# Altium PCB A_base2017.PcbDoc (part 3 of 4)
Units mil, origin at the board's own origin, x right, y up, seen from the top; angles counter-clockwise.
Board outline 3944.36 x 3947.83 mil, 2 copper layers (Top Layer, Bottom Layer); 105 components, 169 nets, 534 pads, 87 vias.
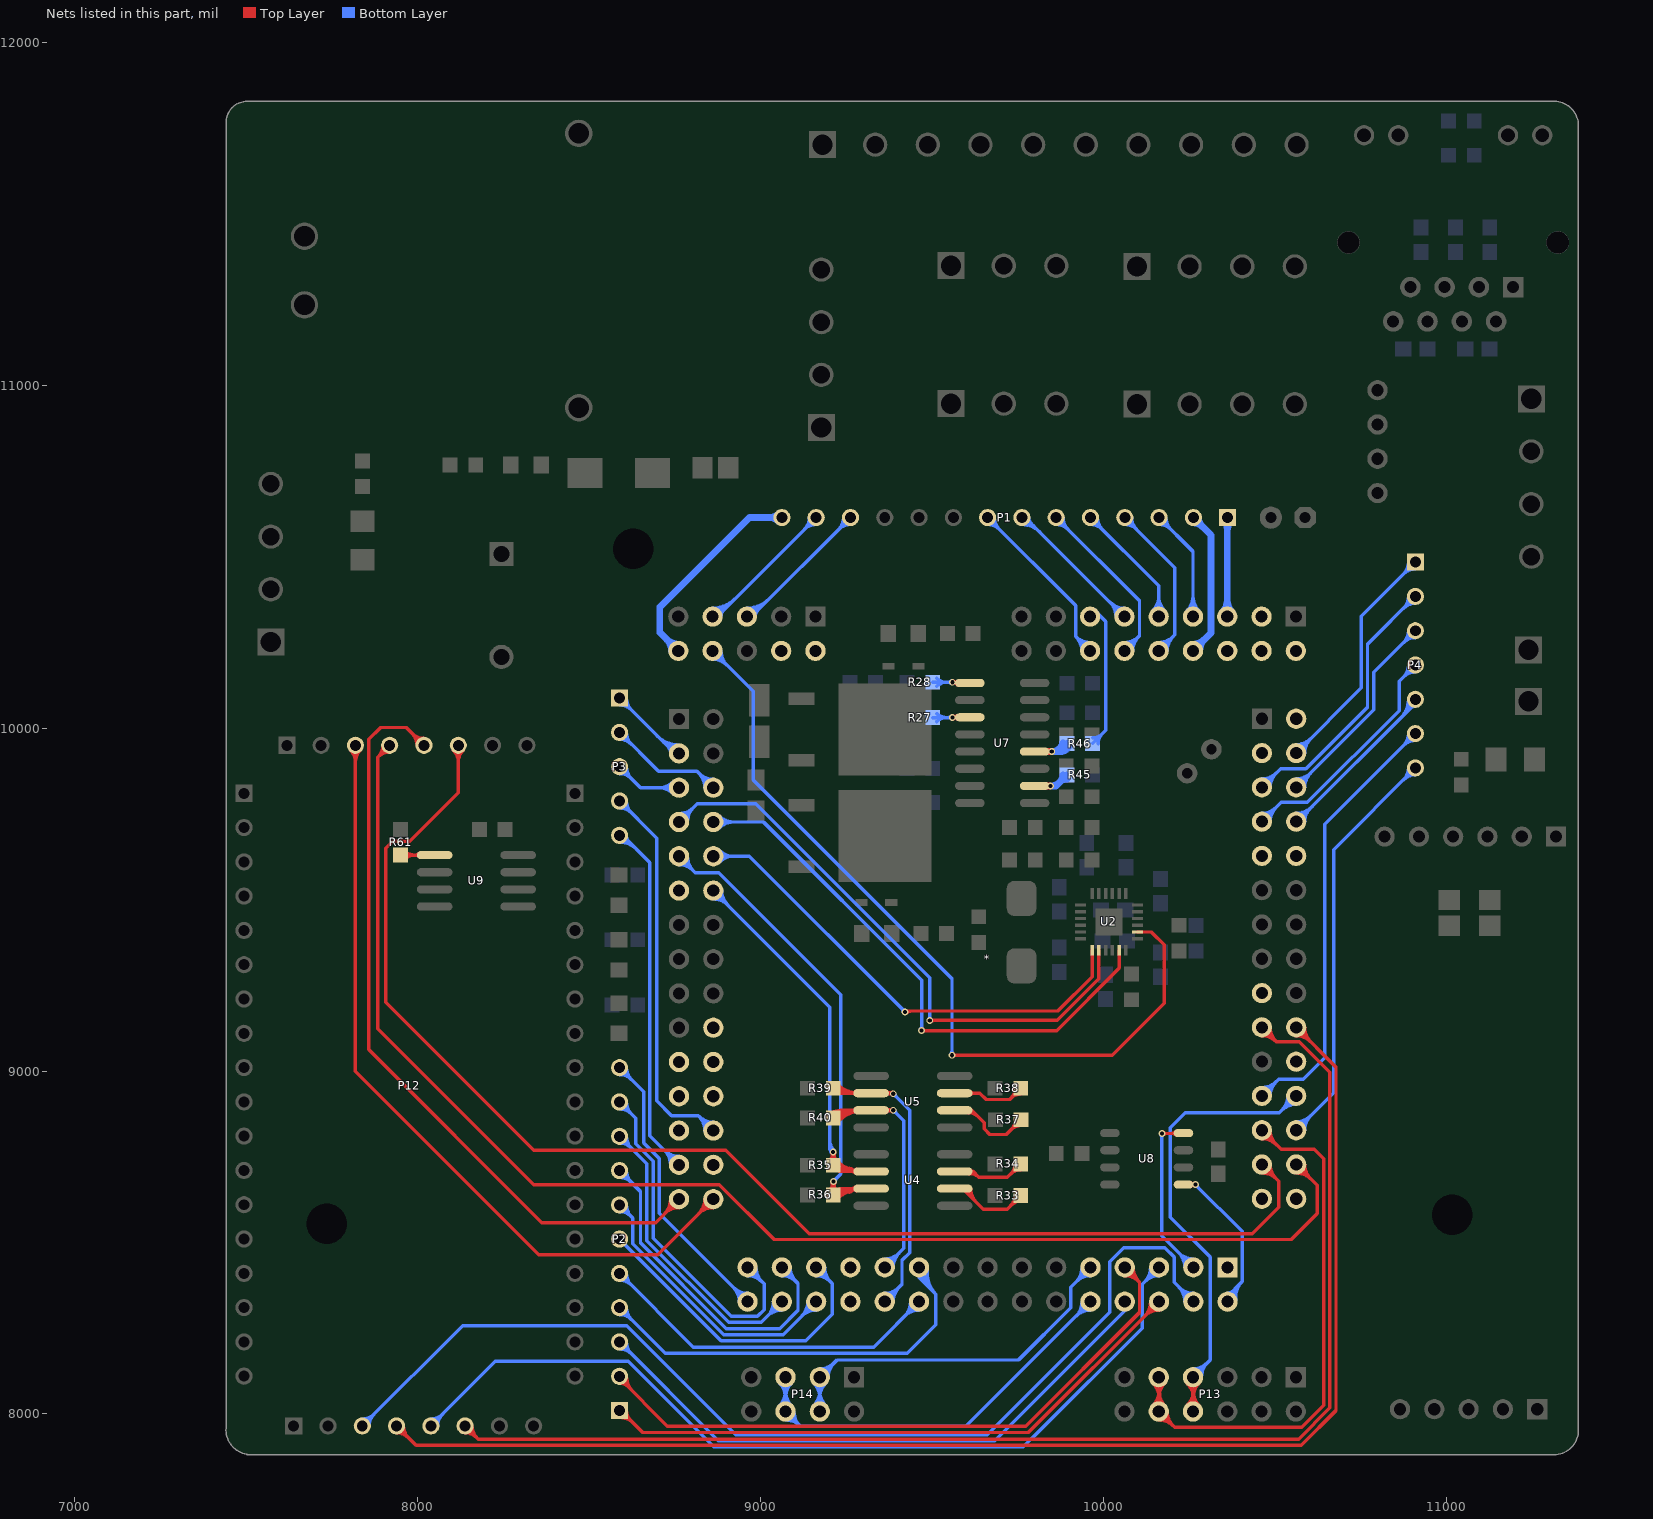
[diagram p3: the nets of this part, all layers, seen from the top]

## Via types
v1: diameter 20, hole 12, Top Layer to Bottom Layer, 86 vias
v2: diameter 12, hole 12, Top Layer to Bottom Layer, 1 vias

## Nets (pads, with @x,y where several pads share a name; then routed paths per layer and width w, separated by ;. In a path a pad name is that pad's centre, name@x,y a point inside that pad or via, vN(x,y) a via of type N, cw(c..) or ccw(c..) an arc to the next point about the centre after c; other vN are vias at no path point) (continued)
NetR27_1: R27.1 U7.11 | length 256
  Top Layer w10: v1(9559.05,10031.61) U7.11@9610.04,10031.61 ; v1@9561.82,10031.61 ccw(c9561.82,10048.73) U7.11@9573.92,10036.63 ; v1@9562.47,10035.26 ccw(c9567.34,10040.47) 9569.18,10033.59 ccw(c9571.64,10024.41) v1@9563.39,10029.13 ; v1@9562.59,10028.08 cw(c9571.13,10019.54) 9571.13,10031.61 cw(c9571.13,10043.69) v1@9562.59,10035.15 ; v1@9562.66,10028.15 cw(c9567.36,10023.64) U7.11@9569.05,10029.93 ; v1@9562.77,10031.61 cw(c9562.77,10015.84) U7.11@9573.92,10026.99
  Bottom Layer w10: R27.1@9502,10031 v1@9558.44,10031 ; R27.1@9513.78,10019.22 cw(c9542.21,9990.79) 9542.21,10031 cw(c9542.21,10071.21) R27.1@9513.78,10042.78 ; 9545.5,10031 ccw(c9545.5,10045.17) v1@9555.52,10035.15 ; 9548.47,10031 cw(c9548.47,10021.03) v1@9555.52,10028.08
NetR28_1: R28.1 U7.9 | length 223.6
  Top Layer w10: v1@9562.59,10130.44 cw(c9571.13,10121.91) 9571.13,10133.98 cw(c9571.13,10146.05) v1@9562.59,10137.51 ; U7.9@9573.6,10127.35 ccw(c9559.06,10114.72) v1(9559.06,10133.98) U7.9@9608.07,10133.98
  Bottom Layer w10: R28.1@9502,10134 v1@9559.03,10134 ; R28.1@9513.78,10122.22 cw(c9542.21,10093.79) 9542.21,10134 cw(c9542.21,10174.21) R28.1@9513.78,10145.78 ; 9546.93,10134 cw(c9546.93,10121.85) v1@9555.52,10130.44 ; 9547.04,10134 ccw(c9547.04,10145.99) v1@9555.52,10137.51
NetR33_2: R33.2 U4.2 | length 370.7
  Top Layer w10: U4.2@9565.95,8657.28 9589.76,8657.28 9649.61,8597.44 9718.88,8597.44 R33.2@9758.43,8636.99 ; U4.2@9592.76,8657.28 ccw(c9599.98,8657.28) U4.2@9594.87,8652.18 ; U4.2@9602.76,8657.28 ccw(c9634.12,8657.28) 9611.94,8635.1 ; U4.2@9612.76,8657.28 ccw(c9668.26,8657.28) 9629.01,8618.03 ; R33.2@9741.78,8636.99 cw(c9701.57,8636.99) 9730,8608.56 cw(c9758.43,8580.13) R33.2@9758.43,8620.34
NetR34_2: R34.2 U4.3 | length 349.4
  Top Layer w10: U4.3@9565.95,8707.28 9619.49,8707.28 ; U4.3@9605.37,8710.26 cw(c9607.98,8690.25) 9622.25,8704.52 ; U4.3@9606.66,8700.34 cw(c9611.3,8664.85) 9636.61,8690.16 ; U4.3@9611.42,8703.17 cw(c9619.49,8697.32) 9619.49,8707.28 ; U4.3@9611.42,8711.4 ccw(c9619.49,8717.25) 9619.49,8707.28 ; R34.2@9742.2,8729.33 cw(c9702,8729.33) 9730.43,8700.9 cw(c9758.86,8672.47) R34.2@9758.86,8712.68 ; R34.2@9758.86,8729.33 9719.69,8690.16 9636.61,8690.16 ; 9619.49,8707.28 9636.61,8690.16
NetR37_2: R37.2 U5.2 | length 345.3
  Top Layer w10: U5.2@9565.95,8885.63 9615.35,8885.63 9651.98,8849.01 9651.98,8831.78 9668.8,8814.96 9716.4,8814.96 R37.2@9759.43,8857.99 ; U5.2@9605.76,8878.63 cw(c9605.76,8838.56) 9634.09,8866.89 ; R37.2@9742.78,8857.99 cw(c9702.57,8857.99) 9731,8829.56 cw(c9759.43,8801.13) R37.2@9759.43,8841.34
NetR38_2: R38.2 U5.3 | length 303.8
  Top Layer w10: U5.3@9565.95,8935.63 9639.37,8935.63 9657.85,8917.15 9726.2,8917.15 R38.2@9758.86,8949.8 ; U5.3@9610.71,8930.68 cw(c9622.66,8918.73) 9622.66,8935.63 cw(c9622.66,8952.53) U5.3@9610.71,8940.58 ; R38.2@9742.2,8949.8 cw(c9702,8949.8) 9730.43,8921.37 cw(c9758.86,8892.94) R38.2@9758.86,8933.15
NetR45_2: R45.2 U7.2 | length 181.2
  Top Layer w20: U7.2@9799.21,9831.81 v1(9845.47,9831.81)
  Bottom Layer w20: R45.2@9872.29,9842.92 cw(c9845.47,9869.73) v1(9845.47,9831.81) 9861.18,9831.81 R45.2@9893.2,9863.83 ; R45.2@9881.54,9863.83 cw(c9853.41,9863.83) 9873.3,9843.93 cw(c9893.2,9824.04) R45.2@9893.2,9852.17
NetR46_2: R46.2 U7.4 | length 229.9
  Top Layer w20: U7.4@9799.21,9931.81 v1(9849.02,9931.81)
  Bottom Layer w20: 9874.38,9931.81 ccw(c9874.38,9959.51) R46.2@9901.31,9953.05 ; R46.2@9881.54,9955 cw(c9853.41,9955) 9873.3,9935.11 cw(c9893.2,9915.21) R46.2@9893.2,9943.35 ; R46.2@9881.86,9957.72 cw(c9849.02,9965.59) v1(9849.02,9931.81) 9870.01,9931.81 R46.2@9893.2,9955
NetR61_2: R61.2 U9.1 | length 189.1
  Top Layer w10: R61.2@7949.8,9629.92 U9.1@8049.21,9629.92 ; R61.2@7961.58,9618.15 cw(c7990.01,9589.72) 7990.01,9629.92 cw(c7990.01,9670.13) R61.2@7961.58,9641.7 ; U9.1@8004.45,9624.97 ccw(c7992.5,9613.02) 7992.5,9629.92 ccw(c7992.5,9646.82) U9.1@8004.45,9634.87
PA0: *.25 P1.13 | length 677
  Bottom Layer w10: *.25@8859.97,10325.51 8873.23,10325.51 P1.13@9162.03,10614.32 ; *.25@8859.97,10330.04 ccw(c8859.97,10372.98) 8890.33,10342.62 ; *.25@8859.97,10340.04 ccw(c8859.97,10407.12) 8907.4,10359.69 ; *.25@8859.97,10350.04 ccw(c8859.97,10441.27) 8924.48,10376.76 ; *.25@8884.5,10325.51 cw(c8911.7,10325.51) 8892.46,10344.75 ; P1.13@9142.03,10614.32 cw(c9093.75,10614.32) 9127.89,10580.17 cw(c9162.03,10546.03) P1.13@9162.03,10594.31
PA1: *.26 U2.14 | length 2599.8
  Top Layer w10: v1(9558.35,9046.26) 10025.26,9046.26 10177,9198 10177,9368 10139.29,9405.71 U2.14@10098.75,9405.71 ; v1@9561.89,9042.72 cw(c9570.43,9034.19) 9570.43,9046.26 cw(c9570.43,9058.33) v1@9561.89,9049.8
  Bottom Layer w10: *.26@8859.97,10200.98 cw(c8859.97,10141.77) 8901.84,10183.64 cw(c8943.71,10225.51) *.26@8884.5,10225.51 ; *.26@8859.97,10210.98 cw(c8859.97,10175.91) 8884.77,10200.71 cw(c8909.57,10225.51) *.26@8874.5,10225.51 ; *.26@8859.97,10225.51 8978.23,10107.25 8978.23,9849 9558.07,9269.16 v1@9558.07,9046.26 ; v1@9554.82,9049.8 ccw(c9546.97,9057.65) 9558.07,9057.65 ; 9558.07,9059.02 ccw(c9571.11,9059.02) v1@9561.89,9049.8
PA3: *.28 P1.14 | length 745.1
  Bottom Layer w20: *.28@8740.44,10225.51 ccw(c8693.3,10225.51) 8726.63,10258.85 ccw(c8759.97,10292.18) *.28@8759.97,10245.04 ; *.28@8759.97,10225.51 8706,10279.48 8706,10353 8967.32,10614.32 P1.14@9062.03,10614.32 ; P1.14@9051.42,10603.71 ccw(c9025.82,10578.1) 9025.82,10614.32 ccw(c9025.82,10650.53) P1.14@9051.42,10624.92
PA4: *.31 P3.1 | length 491.7
  Bottom Layer w10: P3.1@8588.58,10067.6 cw(c8588.58,10019.31) 8622.73,10053.46 ; P3.1@8588.58,10087.6 8749.67,9926.51 *.31@8761.97,9926.51 ; P3.1@8608.58,10087.6 ccw(c8656.87,10087.6) 8622.72,10053.46 ; 8699.1,9977.08 ccw(c8761.97,10039.95) *.31@8761.97,9951.04 ; 8716.17,9960.01 ccw(c8761.97,10005.8) *.31@8761.97,9941.04 ; 8728.79,9947.39 cw(c8707.92,9926.51) *.31@8737.44,9926.51 ; 8733.24,9942.94 ccw(c8761.97,9971.66) *.31@8761.97,9931.04
PA5: *.34 P3.2 | length 564.1
  Bottom Layer w10: P3.2@8588.58,9967.6 cw(c8588.58,9919.31) 8622.73,9953.46 ; P3.2@8588.58,9987.6 8702.17,9874.02 8814.46,9874.02 *.34@8861.97,9826.51 ; P3.2@8608.58,9987.6 ccw(c8656.87,9987.6) 8622.72,9953.46 ; *.34@8837.44,9826.51 ccw(c8778.23,9826.51) 8820.1,9868.38 ccw(c8861.97,9910.25) *.34@8861.97,9851.04 ; *.34@8847.44,9826.51 ccw(c8812.37,9826.51) 8837.17,9851.31 ccw(c8861.97,9876.11) *.34@8861.97,9841.04
PA6: *.33 P3.3 | length 422.6
  Bottom Layer w10: P3.3@8588.58,9867.6 cw(c8588.58,9819.31) 8622.72,9853.46 cw(c8656.87,9887.6) P3.3@8608.58,9887.6 ; P3.3@8588.58,9887.6 8649.67,9826.51 *.33@8761.97,9826.51 ; *.33@8744.62,9809.17 ccw(c8702.75,9767.3) 8702.75,9826.51 ccw(c8702.75,9885.73) *.33@8744.62,9843.86 ; *.33@8751.7,9816.24 ccw(c8726.9,9791.44) 8726.9,9826.51 ccw(c8726.9,9861.58) *.33@8751.7,9836.78
PA7: *.36 U2.11 | length 1835.4
  Top Layer w10: v1(9469.67,9118.11) 9863.11,9118.11 10045.55,9300.55 U2.11@10045.55,9352.51 ; v1@9473.2,9114.57 cw(c9481.74,9106.04) 9481.74,9118.11 cw(c9481.74,9130.18) v1@9473.2,9121.65
  Bottom Layer w10: *.36@8861.97,9726.51 9008.49,9726.51 9469.67,9265.33 v1(9469.67,9118.11) ; *.36@8872.24,9716.24 cw(c8897.04,9691.44) 8897.04,9726.51 cw(c8897.04,9761.58) *.36@8872.24,9736.78 ; *.36@8879.31,9709.17 cw(c8921.18,9667.3) 8921.18,9726.51 cw(c8921.18,9785.73) *.36@8879.31,9743.86 ; v1@9466.13,9121.65 ccw(c9457.6,9130.18) 9469.67,9130.18 ccw(c9481.74,9130.18) v1@9473.2,9121.65
PA8: *.64 P2.1 | length 2007.2
  Top Layer w10: P2.1@8588.58,7989.84 cw(c8588.58,7932.05) 8629.45,7972.92 ; P2.1@8588.58,7999.84 cw(c8588.58,7966.2) P2.1@8612.37,7989.99 ; P2.1@8590.55,8011.81 8656.5,7945.87 9780.32,7945.87 *.64@10161.97,8327.51 ; P2.1@8608.58,8009.84 ccw(c8647.36,8009.84) 8619.94,7982.42 ; *.64@10137.44,8327.51 cw(c10078.23,8327.51) 10120.1,8285.64 cw(c10161.97,8243.77) *.64@10161.97,8302.98 ; *.64@10147.44,8327.51 cw(c10112.37,8327.51) 10137.17,8302.71 cw(c10161.97,8277.91) *.64@10161.97,8312.98
PA9: *.63 P12.5 | length 2821.4
  Bottom Layer w10: P12.5@8038.19,7965.19 8226.54,8153.54 8614.17,8153.54 8863.76,7903.96 9766.48,7903.96 9807.09,7944.57 ; P12.5@8038.19,7985.19 ccw(c8038.19,8033.47) 8072.33,7999.33 ccw(c8106.47,7965.19) P12.5@8058.19,7965.19 ; 9806.59,7944.39 10112.7,8250.49 10112.7,8378.24 *.63@10161.97,8427.51 ; *.63@10137.44,8427.51 cw(c10078.23,8427.51) 10120.1,8385.64 cw(c10161.97,8343.77) *.63@10161.97,8402.98 ; *.63@10147.44,8427.51 cw(c10112.37,8427.51) 10137.17,8402.71 cw(c10161.97,8377.91) *.63@10161.97,8412.98
PA10: *.62 P12.3 | length 3321.1
  Bottom Layer w10: P12.3@7838.19,7965.19 8130.87,8257.87 8609.25,8257.87 8927.17,7939.96 9660.56,7939.96 10017.78,8297.18 10017.78,8443.96 10059.06,8485.24 10178.15,8485.24 10205.71,8457.68 10205.71,8383.77 *.62@10261.97,8327.51 ; P12.3@7838.19,7985.19 ccw(c7838.19,8033.47) 7872.33,7999.33 ccw(c7906.47,7965.19) P12.3@7858.19,7965.19 ; *.62@10237.44,8327.51 ccw(c10178.23,8327.51) 10220.1,8369.38 ccw(c10261.97,8411.25) *.62@10261.97,8352.04 ; *.62@10247.44,8327.51 ccw(c10212.37,8327.51) 10237.17,8352.31 ccw(c10261.97,8377.11) *.62@10261.97,8342.04
PA11: *.61 U8.4 | length 703.2
  Top Layer w10: v1(10170.28,8817.91) U8.4@10232.09,8817.91 ; v1@10173.81,8814.38 cw(c10182.35,8805.84) 10182.35,8817.91 cw(c10182.35,8829.98) v1@10173.81,8821.45 ; 10197.24,8817.91 ccw(c10197.24,8838.39) U8.4@10211.72,8823.91 ; 10202.94,8817.91 cw(c10202.94,8805.5) U8.4@10211.72,8814.28 ; U8.4@10232.09,8819.09 U8.4@10233.27,8819.09
  Bottom Layer w10: v1@10166.74,8814.38 cw(c10158.2,8805.84) 10170.28,8805.84 cw(c10182.35,8805.84) v1@10173.81,8814.38 ; v1(10170.28,8817.91) 10170.28,8519.2 *.61@10261.97,8427.51 ; *.61@10237.44,8427.51 ccw(c10178.23,8427.51) 10220.1,8469.38 ccw(c10261.97,8511.25) *.61@10261.97,8452.04 ; *.61@10247.44,8427.51 ccw(c10212.37,8427.51) 10237.17,8452.31 ccw(c10261.97,8477.11) *.61@10261.97,8442.04
PA12: *.60 U8.1 | length 668.7
  Top Layer w10: U8.1@10233.27,8669.09 v1(10267.91,8669.09) ; U8.1@10254.82,8664.28 cw(c10266.44,8652.65) 10266.44,8669.09 cw(c10266.44,8685.54) U8.1@10254.82,8673.91 ; v1@10264.37,8665.56 ccw(c10255.83,8657.02) 10255.83,8669.09 ccw(c10255.83,8681.17) v1@10264.37,8672.63
  Bottom Layer w10: v1@10267.91,8664.09 cw(c10267.91,8652.02) 10276.44,8660.56 cw(c10284.98,8669.09) v1@10272.91,8669.09 ; v1(10267.91,8669.09) 10404.53,8532.47 10404.53,8386.31 10360.49,8342.27 *.60@10360.49,8328.99 ; *.60@10361.97,8352.04 ccw(c10361.97,8372.06) 10376.12,8357.9 ; *.60@10366.45,8328.17 cw(c10401.26,8333.28) 10376.38,8358.16 ; *.60@10376.34,8329.62 cw(c10425.8,8336.89) 10390.45,8372.23 ; *.60@10386.24,8331.08 cw(c10450.34,8340.49) 10404.52,8386.3
PA13: *.59
PA14: *.117
PA15: *.118
PB0: *.37 R36.1 U4.7 | length 1882.1
  Top Layer w10: R36.1@9200.24,8650.94 ccw(c9175.71,8677.16) v1@9211.61,8677.16 ; v1@9208.27,8675.65 cw(c9199.87,8670.8) 9209.24,8668.29 ; 9208.37,8665.05 cw(c9222.32,8661.31) v1@9215.1,8673.82 ; R36.1@9209.25,8641.15 cw(c9248.21,8602.19) 9248.21,8657.28 ; 9211.61,8663.7 cw(c9227.05,8663.7) v1@9216.13,8674.61 ; 9215.31,8663.37 cw(c9230.95,8667.56) v1@9216.93,8675.65 ; R36.1@9216.32,8634.07 cw(c9272.35,8578.04) U4.7@9272.35,8657.28 ; R36.1@9222.99,8650.94 cw(c9247.52,8677.16) v1@9211.61,8677.16 ; R36.1@9223.39,8627 cw(c9296.49,8553.9) U4.7@9296.49,8657.28 ; 9258.69,8647.15 ccw(c9251.12,8675.41) U4.7@9276.45,8660.78 ; 9260.72,8654.9 cw(c9265.51,8631.52) U4.7@9278.66,8651.44 ; 9270.38,8656.88 ccw(c9268.38,8666.61) U4.7@9276.67,8661.14 ; U4.7@9277.56,8652.33 ccw(c9265.61,8640.38) 9265.61,8657.28 ccw(c9265.61,8674.18) U4.7@9277.56,8662.23 ; U4.7@9322.32,8657.28 9230.12,8657.28 R36.1@9211.61,8638.78 v1@9211.61,8677.17
  Bottom Layer w10: *.37@8761.97,9601.98 cw(c8761.97,9542.77) 8803.84,9584.64 cw(c8845.71,9626.51) *.37@8786.5,9626.51 ; *.37@8761.97,9611.98 cw(c8761.97,9576.91) 8786.77,9601.71 cw(c8811.57,9626.51) *.37@8776.5,9626.51 ; *.37@8761.97,9626.51 8809.74,9578.74 8877.95,9578.74 9234.25,9222.44 9234.25,8699.8 v1(9212.6,8678.15) ; v1@9212.6,8683.15 ccw(c9212.6,8695.22) 9221.13,8686.69 ccw(c9229.67,8678.15) v1@9217.6,8678.15
PB1: *.40 R35.1 U4.6 | length 1632.3
  Top Layer w10: R35.1@9200.24,8737.56 ccw(c9175.71,8763.78) v1(9211.61,8763.78) ; v1@9207.28,8761.28 cw(c9196.83,8755.24) 9208.49,8752.12 cw(c9220.15,8749) v1@9214.11,8759.45 ; v1@9208.08,8760.24 cw(c9199.54,8751.71) 9211.61,8751.71 cw(c9223.68,8751.71) v1@9215.15,8760.24 ; v1@9209.11,8759.45 cw(c9203.08,8749) 9214.74,8752.12 cw(c9226.4,8755.24) v1@9215.94,8761.28 ; R35.1@9209.25,8723.03 ccw(c9247.26,8761.04) 9247.26,8707.28 ; R35.1@9216.32,8730.1 ccw(c9271.4,8785.18) U4.6@9271.4,8707.28 ; R35.1@9222.99,8737.56 cw(c9247.52,8763.78) v1(9211.61,8763.78) ; R35.1@9223.39,8737.17 ccw(c9295.54,8809.32) U4.6@9295.54,8707.28 ; 9259.2,8717.02 cw(c9251.84,8689.58) U4.6@9276.45,8703.78 ; 9260.3,8709.53 ccw(c9265.14,8733.47) U4.6@9278.64,8713.12 ; U4.6@9277.56,8702.33 ccw(c9265.61,8690.38) 9265.61,8707.28 ccw(c9265.61,8724.18) U4.6@9277.56,8712.23 ; U4.6@9322.32,8707.28 9229.72,8707.28 R35.1@9211.61,8725.39 v1(9211.61,8763.78)
  Bottom Layer w10: *.40@8861.97,9501.98 cw(c8861.97,9442.77) 8903.84,9484.64 cw(c8945.71,9526.51) *.40@8886.5,9526.51 ; *.40@8861.97,9511.98 cw(c8861.97,9476.91) 8886.77,9501.71 cw(c8911.57,9526.51) *.40@8876.5,9526.51 ; *.40@8861.97,9526.51 9201.77,9186.71 9201.77,8773.62 v1(9211.61,8763.78) ; 9201.77,8775.47 ccw(c9223.31,8775.47) v1@9208.08,8760.24 ; 9201.77,8799.61 ccw(c9247.45,8799.61) v1@9215.15,8767.32
PB2: *.39
PB3: *.98
PB4: *.97
PB5: *.96 P4.5 | length 763.3
  Bottom Layer w10: *.96@10561.28,9724.27 P4.5@10913.39,10076.38 ; *.96@10561.97,9742.04 ccw(c10561.97,9783.27) 10591.12,9754.12 ; *.96@10561.97,9752.04 ccw(c10561.97,9817.41) 10608.19,9771.19 ; *.96@10576.5,9727.51 cw(c10605.41,9727.51) 10584.96,9747.96 ; *.96@10586.5,9727.51 cw(c10639.55,9727.51) 10602.04,9765.03 ; 10866.95,10029.95 ccw(c10812.65,10084.25) P4.5@10889.45,10084.25 ; 10884.03,10047.02 ccw(c10846.79,10084.25) P4.5@10899.45,10084.25 ; 10895.47,10058.46 cw(c10909.45,10044.48) P4.5@10909.45,10064.25
PB6: *.95 P4.4 | length 910.9
  Bottom Layer w10: *.95@10461.97,9727.51 10517.92,9783.46 10594.49,9783.46 10862.2,10051.18 10862.2,10137.01 P4.4@10909.45,10184.25 ; *.95@10461.97,9742.04 ccw(c10461.97,9777.11) 10486.77,9752.31 ccw(c10511.57,9727.51) *.95@10476.5,9727.51 ; *.95@10461.97,9752.04 ccw(c10461.97,9811.25) 10503.84,9769.38 ccw(c10545.71,9727.51) *.95@10486.5,9727.51 ; P4.4@10889.45,10184.25 cw(c10841.16,10184.25) 10875.31,10150.11 cw(c10909.45,10115.97) P4.4@10909.45,10164.25
PB7: *.94 P4.3 | length 824.6
  Bottom Layer w10: *.94@10561.97,9827.51 10788,10053.54 10788,10162.8 P4.3@10909.45,10284.25 ; *.94@10561.97,9842.04 ccw(c10561.97,9877.11) 10586.77,9852.31 ccw(c10611.57,9827.51) *.94@10576.5,9827.51 ; *.94@10561.97,9852.04 ccw(c10561.97,9911.25) 10603.84,9869.38 ccw(c10645.71,9827.51) *.94@10586.5,9827.51 ; P4.3@10889.45,10284.25 cw(c10841.16,10284.25) 10875.31,10250.11 cw(c10909.45,10215.97) P4.3@10909.45,10264.25
PB8: *.93 P4.2 | length 1009.5
  Bottom Layer w10: *.93@10461.97,9827.51 10516.35,9881.89 10590.55,9881.89 10770,10061.34 10770,10244.8 P4.2@10909.45,10384.25 ; *.93@10461.97,9842.04 ccw(c10461.97,9877.11) 10486.77,9852.31 ccw(c10511.57,9827.51) *.93@10476.5,9827.51 ; *.93@10461.97,9852.04 ccw(c10461.97,9911.25) 10503.84,9869.38 ccw(c10545.71,9827.51) *.93@10486.5,9827.51 ; P4.2@10889.45,10384.25 cw(c10841.16,10384.25) 10875.31,10350.11 cw(c10909.45,10315.97) P4.2@10909.45,10364.25
PB9: *.92 P4.1 | length 924.6
  Bottom Layer w10: *.92@10561.97,9927.51 10752,10117.54 10752,10326.8 P4.1@10909.45,10484.25 ; *.92@10561.97,9942.04 ccw(c10561.97,9977.11) 10586.77,9952.31 ccw(c10611.57,9927.51) *.92@10576.5,9927.51 ; *.92@10561.97,9952.04 ccw(c10561.97,10011.25) 10603.84,9969.38 ccw(c10645.71,9927.51) *.92@10586.5,9927.51 ; P4.1@10889.45,10484.25 cw(c10841.16,10484.25) 10875.31,10450.11 cw(c10909.45,10415.97) P4.1@10909.45,10464.25
PB10: *.57 P12.13 | length 2467.3
  Top Layer w10: P12.13@7998.19,9950.19 ccw(c7949.9,9950.19) 7984.05,9984.33 ccw(c8018.19,10018.47) P12.13@8018.19,9970.19 ; P12.13@8018.19,9950.19 7966.41,10001.97 7891.73,10001.97 7857.28,9967.52 7857.28,9062.99 8362.2,8558.07 8693.53,8558.07 *.57@8761.97,8626.51 ; *.57@8737.44,8626.51 cw(c8678.23,8626.51) 8720.1,8584.64 cw(c8761.97,8542.77) *.57@8761.97,8601.98 ; *.57@8747.44,8626.51 cw(c8712.37,8626.51) 8737.17,8601.71 cw(c8761.97,8576.91) *.57@8761.97,8611.98
PB11: *.58 P12.11 | length 2506.9
  Top Layer w10: P12.11@7804.05,9936.05 cw(c7769.9,9901.9) 7818.19,9901.9 cw(c7866.47,9901.9) P12.11@7832.33,9936.05 ; P12.11@7818.19,9950.19 7818.19,8999.72 8353.35,8464.57 8700.02,8464.57 *.58@8861.97,8626.51 ; *.58@8837.44,8626.51 cw(c8778.23,8626.51) 8820.1,8584.64 cw(c8861.97,8542.77) *.58@8861.97,8601.98 ; *.58@8847.44,8626.51 cw(c8812.37,8626.51) 8837.17,8601.71 cw(c8861.97,8576.91) *.58@8861.97,8611.98
PB12: *.87 P2.10 | length 1230.7
  Bottom Layer w10: P2.10@8588.58,8889.84 cw(c8588.58,8841.56) 8622.72,8875.7 cw(c8656.87,8909.84) P2.10@8608.58,8909.84 ; P2.10@8588.58,8909.84 8635.83,8862.6 8635.83,8788.05 8686.31,8737.57 8686.31,8512.96 8914.28,8284.98 8990.98,8284.98 9010,8304 9010,8379.48 *.87@8961.97,8427.51 ; *.87@8961.97,8402.98 cw(c8961.97,8343.77) 9003.84,8385.64 cw(c9045.71,8427.51) *.87@8986.5,8427.51 ; *.87@8961.97,8412.98 cw(c8961.97,8377.91) 8986.77,8402.71 cw(c9011.57,8427.51) *.87@8976.5,8427.51
PB13: *.88 P2.11 | length 1060.9
  Bottom Layer w10: P2.11@8588.58,8989.84 cw(c8588.58,8941.56) 8622.72,8975.7 cw(c8656.87,9009.84) P2.11@8608.58,9009.84 ; P2.11@8588.58,9009.84 8659.17,8939.26 8659.17,8790.17 8704.31,8745.03 8704.31,8585.17 *.88@8961.97,8327.51 ; *.88@8937.44,8327.51 ccw(c8878.23,8327.51) 8920.1,8369.38 ccw(c8961.97,8411.25) *.88@8961.97,8352.04 ; *.88@8947.44,8327.51 ccw(c8912.37,8327.51) 8937.17,8352.31 ccw(c8961.97,8377.11) *.88@8961.97,8342.04
PB14: *.85 P2.8 | length 1190.1
  Bottom Layer w10: P2.8@8588.58,8689.84 cw(c8588.58,8641.56) 8622.72,8675.7 cw(c8656.87,8709.84) P2.8@8608.58,8709.84 ; P2.8@8588.58,8709.84 8649.61,8648.82 8649.61,8498.75 8899.37,8248.98 9055.98,8248.98 9109,8302 9109,8380.48 *.85@9061.97,8427.51 ; *.85@9061.97,8402.98 cw(c9061.97,8343.77) 9103.84,8385.64 cw(c9145.71,8427.51) *.85@9086.5,8427.51 ; *.85@9061.97,8412.98 cw(c9061.97,8377.91) 9086.77,8402.71 cw(c9111.57,8427.51) *.85@9076.5,8427.51
PB15: *.86 P2.9 | length 1070.6
  Bottom Layer w10: P2.9@8588.58,8789.84 cw(c8588.58,8741.56) 8622.72,8775.7 cw(c8656.87,8809.84) P2.9@8608.58,8809.84 ; P2.9@8594.39,8804.04 8668.31,8730.12 8668.31,8505.5 8906.82,8266.98 9001.44,8266.98 *.86@9061.97,8327.51 ; *.86@9037.44,8327.51 cw(c8978.23,8327.51) 9020.1,8285.64 cw(c9061.97,8243.77) *.86@9061.97,8302.98 ; *.86@9047.44,8327.51 cw(c9012.37,8327.51) 9037.17,8302.71 cw(c9061.97,8277.91) *.86@9061.97,8312.98
PC0: *.20
PC2: *.22
PC3: *.23 P1.12 | length 677
  Bottom Layer w10: *.23@8959.97,10325.51 8973.23,10325.51 P1.12@9262.03,10614.32 ; *.23@8959.97,10330.04 ccw(c8959.97,10372.98) 8990.33,10342.62 ; *.23@8959.97,10340.04 ccw(c8959.97,10407.12) 9007.4,10359.69 ; *.23@8959.97,10350.04 ccw(c8959.97,10441.27) 9024.48,10376.76 ; *.23@8984.5,10325.51 cw(c9011.7,10325.51) 8992.46,10344.75 ; P1.12@9242.03,10614.32 cw(c9193.75,10614.32) 9227.89,10580.17 cw(c9262.03,10546.03) P1.12@9262.03,10594.31
PC4: *.35 U2.8 | length 1900.5
  Top Layer w10: v1(9493.11,9147.64) 9864.64,9147.64 9986.5,9269.5 U2.8@9986.5,9352.51 ; v1@9496.65,9144.1 cw(c9505.18,9135.57) 9505.18,9147.64 cw(c9505.18,9159.71) v1@9496.65,9151.17
  Bottom Layer w10: *.35@8761.97,9726.51 8814.98,9779.53 8985.47,9779.53 9493.11,9271.89 v1(9493.11,9147.64) ; *.35@8761.97,9741.04 ccw(c8761.97,9776.11) 8786.77,9751.31 ccw(c8811.57,9726.51) *.35@8776.5,9726.51 ; *.35@8761.97,9751.04 ccw(c8761.97,9810.25) 8803.84,9768.38 ccw(c8845.71,9726.51) *.35@8786.5,9726.51 ; v1@9489.57,9151.17 ccw(c9481.04,9159.71) 9493.11,9159.71 ccw(c9505.18,9159.71) v1@9496.65,9151.17
PC5: *.38 U2.7 | length 1597.4
  Top Layer w10: v1(9421.26,9172.24) 9424.21,9175.2 9866.74,9175.2 9966.81,9275.27 U2.7@9966.81,9352.51 ; v1@9424.8,9168.71 cw(c9440.46,9153.04) 9440.46,9175.2
  Bottom Layer w10: *.38@8861.97,9626.51 8966.99,9626.51 v1(9421.26,9172.24) ; *.38@8872.24,9616.24 cw(c8897.04,9591.44) 8897.04,9626.51 cw(c8897.04,9661.58) *.38@8872.24,9636.78 ; *.38@8879.31,9609.17 cw(c8921.18,9567.3) 8921.18,9626.51 cw(c8921.18,9685.73) *.38@8879.31,9643.86 ; v1@9416.26,9172.24 ccw(c9404.19,9172.24) 9412.72,9180.78 ccw(c9421.26,9189.31) v1@9421.26,9177.24
PC6: *.68 P14.5 P14.6 | length 1750.6
  Bottom Layer w10: P14.6@9055.29,8024.63 ccw(c9013.42,8066.5) 9072.64,8066.5 ccw(c9131.85,8066.5) P14.6@9089.98,8024.63 ; P14.5@9055.29,8089.94 cw(c9013.42,8048.07) 9072.64,8048.07 cw(c9131.85,8048.07) P14.5@9089.98,8089.94 ; P14.6@9062.37,8017.56 ccw(c9037.57,8042.36) 9072.64,8042.36 ccw(c9107.71,8042.36) P14.6@9082.91,8017.56 ; P14.5@9062.37,8097.01 cw(c9037.57,8072.21) 9072.64,8072.21 cw(c9107.71,8072.21) P14.5@9082.91,8097.01 ; P14.6@9072.64,7982.76 cw(c9072.64,7923.54) 9114.51,7965.41 cw(c9156.38,8007.28) P14.6@9097.17,8007.28 ; P14.6@9072.64,7992.76 cw(c9072.64,7957.68) 9097.44,7982.48 cw(c9122.24,8007.28) P14.6@9087.17,8007.28 ; P14.5@9072.64,8107.28 P14.6@9072.64,8007.28 9116.34,7963.58 9598.04,7963.58 *.68@9961.97,8327.51 ; *.68@9937.44,8327.51 cw(c9878.23,8327.51) 9920.1,8285.64 cw(c9961.97,8243.77) *.68@9961.97,8302.98 ; *.68@9947.44,8327.51 cw(c9912.37,8327.51) 9937.17,8302.71 cw(c9961.97,8277.91) *.68@9961.97,8312.98
PC7: *.67 P14.3 P14.4 | length 1649.6
  Bottom Layer w10: P14.4@9155.29,8024.63 ccw(c9113.42,8066.5) 9172.64,8066.5 ccw(c9231.85,8066.5) P14.4@9189.98,8024.63 ; P14.3@9155.29,8089.94 cw(c9113.42,8048.07) 9172.64,8048.07 cw(c9231.85,8048.07) P14.3@9189.98,8089.94 ; P14.4@9162.37,8017.56 ccw(c9137.57,8042.36) 9172.64,8042.36 ccw(c9207.71,8042.36) P14.4@9182.91,8017.56 ; P14.3@9162.37,8097.01 cw(c9137.57,8072.21) 9172.64,8072.21 cw(c9207.71,8072.21) P14.3@9182.91,8097.01 ; P14.4@9172.64,8007.28 P14.3@9172.64,8107.28 9222.83,8157.48 9752.08,8157.48 9904.5,8309.9 9904.5,8370.04 *.67@9961.97,8427.51 ; P14.3@9172.64,8121.81 ccw(c9172.64,8156.88) 9197.44,8132.08 ccw(c9222.24,8107.28) P14.3@9187.17,8107.28 ; P14.3@9172.64,8131.81 ccw(c9172.64,8191.03) 9214.51,8149.15 ccw(c9256.38,8107.28) P14.3@9197.17,8107.28 ; *.67@9937.44,8427.51 cw(c9878.23,8427.51) 9920.1,8385.64 cw(c9961.97,8343.77) *.67@9961.97,8402.98 ; *.67@9947.44,8427.51 cw(c9912.37,8427.51) 9937.17,8402.71 cw(c9961.97,8377.91) *.67@9961.97,8412.98
PC8: *.66 P2.3 | length 1851.9
  Bottom Layer w10: P2.3@8588.58,8189.84 cw(c8588.58,8141.56) 8622.72,8175.7 cw(c8656.87,8209.84) P2.3@8608.58,8209.84 ; P2.3@8588.58,8209.84 8876.46,7921.96 9682.79,7921.96 10061.97,8301.14 *.66@10061.97,8327.51
PC9: *.65 P2.2 | length 2119.9
  Top Layer w10: P2.2@8588.58,8089.84 cw(c8588.58,8054.98) 8613.24,8079.63 ; P2.2@8588.58,8109.84 8588.58,8104.28 8728.3,7964.57 9773.57,7964.57 10105,8296 10105,8384.48 *.65@10061.97,8427.51 ; P2.2@8598.58,8109.84 ccw(c8636.14,8109.84) 8609.58,8083.28 ; P2.2@8608.58,8109.84 ccw(c8670.29,8109.84) 8626.66,8066.21 ; *.65@10061.97,8402.98 cw(c10061.97,8343.77) 10103.84,8385.64 cw(c10145.71,8427.51) *.65@10086.5,8427.51 ; *.65@10061.97,8412.98 cw(c10061.97,8377.91) 10086.77,8402.71 cw(c10111.57,8427.51) *.65@10076.5,8427.51
PC10: *.115 P12.14 | length 4151.5
  Top Layer w10: P12.14@8104.05,9936.05 cw(c8069.9,9901.9) 8118.19,9901.9 cw(c8166.47,9901.9) P12.14@8132.33,9936.05 ; P12.14@8118.19,9950.19 8118.19,9811.42 7976.84,9670.07 7926.96,9670.07 7906.5,9649.61 7906.5,9200.79 8338.24,8769.04 8898.28,8769.04 9141.73,8525.59 10434.06,8525.59 10510.83,8602.36 10510.83,8678.65 *.115@10461.97,8727.51 ; *.115@10461.97,8702.98 cw(c10461.97,8643.77) 10503.84,8685.64 cw(c10545.71,8727.51) *.115@10486.5,8727.51 ; *.115@10461.97,8712.98 cw(c10461.97,8677.91) 10486.77,8702.71 cw(c10511.57,8727.51) *.115@10476.5,8727.51
PC11: *.116 P12.12 | length 4258.5
  Top Layer w10: P12.12@7898.19,9950.19 cw(c7849.9,9950.19) 7884.05,9916.05 cw(c7918.19,9881.9) P12.12@7918.19,9930.19 ; P12.12@7918.19,9950.19 7883.86,9915.86 7883.86,9123.03 8337.85,8669.04 8879.58,8669.04 9039.77,8508.86 10547.24,8508.86 10623.03,8584.65 10623.03,8666.45 *.116@10561.97,8727.51 ; *.116@10561.97,8702.98 cw(c10561.97,8643.77) 10603.84,8685.64 cw(c10645.71,8727.51) *.116@10586.5,8727.51 ; *.116@10561.97,8712.98 cw(c10561.97,8677.91) 10586.77,8702.71 cw(c10611.57,8727.51) *.116@10576.5,8727.51
PC12: *.113 P13.9 P13.10 | length 2170.8
  Top Layer w10: P13.10@10143.68,8024.63 ccw(c10097.06,8071.25) 10162.99,8071.25 ; P13.9@10143.68,8089.94 cw(c10097.06,8043.32) 10162.99,8043.32 ; P13.10@10150.75,8017.56 ccw(c10121.2,8047.11) 10162.99,8047.11 ; P13.9@10150.75,8097.01 cw(c10121.2,8067.46) 10162.99,8067.46 ; P13.10@10161.02,7982.76 cw(c10161.02,7923.54) 10202.89,7965.41 cw(c10244.77,8007.28) P13.10@10185.55,8007.28 ; P13.10@10161.02,7992.76 cw(c10161.02,7957.68) 10185.82,7982.48 cw(c10210.62,8007.28) P13.10@10175.55,8007.28 ; 10162.99,8037.6 ccw(c10191.34,8037.6) P13.10@10171.3,8017.56 ; 10162.99,8052.82 cw(c10215.49,8052.82) P13.9@10178.37,8089.94 ; 10162.99,8061.75 ccw(c10215.49,8061.75) P13.10@10178.37,8024.63 ; 10162.99,8076.96 cw(c10191.34,8076.96) P13.9@10171.3,8097.01 ; P13.9@10162.99,8125.98 10162.99,8005.31 10207.68,7960.63 10577.63,7960.63 10642,8025 10642,8743.83 10614.17,8771.65 10517.83,8771.65 *.113@10461.97,8827.51 ; *.113@10461.97,8802.98 cw(c10461.97,8743.77) 10503.84,8785.64 cw(c10545.71,8827.51) *.113@10486.5,8827.51 ; *.113@10461.97,8812.98 cw(c10461.97,8777.91) 10486.77,8802.71 cw(c10511.57,8827.51) *.113@10476.5,8827.51
PC13: *.8 P1.2 | length 562.8
  Bottom Layer w20: *.8@10260.97,10225.51 10313.44,10277.98 10313.44,10562.91 P1.2@10262.03,10614.32 ; *.8@10260.97,10245.04 ccw(c10260.97,10292.18) 10294.3,10258.85 ccw(c10327.64,10225.51) *.8@10280.5,10225.51 ; P1.2@10262.03,10599.32 cw(c10262.03,10563.1) 10287.64,10588.71 cw(c10313.24,10614.32) P1.2@10277.03,10614.32
PD0: *.114 P4.7 | length 1424.6
  Bottom Layer w10: *.114@10561.97,8827.51 10671,8936.54 10671,9645.8 P4.7@10909.45,9884.25 ; *.114@10561.97,8842.04 ccw(c10561.97,8877.11) 10586.77,8852.31 ccw(c10611.57,8827.51) *.114@10576.5,8827.51 ; *.114@10561.97,8852.04 ccw(c10561.97,8911.25) 10603.84,8869.38 ccw(c10645.71,8827.51) *.114@10586.5,8827.51 ; P4.7@10889.45,9884.25 cw(c10841.16,9884.25) 10875.31,9850.11 cw(c10909.45,9815.97) P4.7@10909.45,9864.25
PD1: *.111 P4.6 | length 1508.1
  Bottom Layer w10: *.111@10461.97,8927.51 10510.83,8976.38 10582.68,8976.38 10645,9038.7 10645,9719.8 P4.6@10909.45,9984.25 ; *.111@10461.97,8942.04 ccw(c10461.97,8977.11) 10486.77,8952.31 ccw(c10511.57,8927.51) *.111@10476.5,8927.51 ; *.111@10461.97,8952.04 ccw(c10461.97,9011.25) 10503.84,8969.38 ccw(c10545.71,8927.51) *.111@10486.5,8927.51 ; P4.6@10889.45,9984.25 cw(c10841.16,9984.25) 10875.31,9950.11 cw(c10909.45,9915.97) P4.6@10909.45,9964.25
PD2: *.112 P13.7 P13.8 | length 1876.3
  Top Layer w10: P13.8@10243.68,8024.63 ccw(c10197.06,8071.25) 10262.99,8071.25 ; P13.7@10243.68,8089.94 cw(c10197.06,8043.32) 10262.99,8043.32 ; P13.8@10250.75,8017.56 ccw(c10221.2,8047.11) 10262.99,8047.11 ; P13.7@10250.75,8097.01 cw(c10221.2,8067.46) 10262.99,8067.46 ; P13.7@10261.02,8107.28 10262.99,8105.31 P13.8@10262.99,8025.98 ; 10262.99,8037.6 ccw(c10291.34,8037.6) P13.8@10271.3,8017.56 ; 10262.99,8052.82 cw(c10315.49,8052.82) P13.7@10278.37,8089.94 ; 10262.99,8061.75 ccw(c10315.49,8061.75) P13.8@10278.37,8024.63 ; 10262.99,8076.96 cw(c10291.34,8076.96) P13.7@10271.3,8097.01
  Bottom Layer w10: P13.7@10261.02,8107.28 10311.02,8157.28 10311.02,8457.68 10194.88,8573.82 10194.88,8834.65 10238.19,8877.95 10512.41,8877.95 *.112@10561.97,8927.51 ; P13.7@10261.02,8121.81 ccw(c10261.02,8156.88) 10285.82,8132.08 ccw(c10310.62,8107.28) P13.7@10275.55,8107.28 ; P13.7@10261.02,8131.81 ccw(c10261.02,8191.03) 10302.89,8149.15 ccw(c10344.77,8107.28) P13.7@10285.55,8107.28 ; *.112@10537.44,8927.51 cw(c10478.23,8927.51) 10520.1,8885.64 cw(c10561.97,8843.77) *.112@10561.97,8902.98 ; *.112@10547.44,8927.51 cw(c10512.37,8927.51) 10537.17,8902.71 cw(c10561.97,8877.91) *.112@10561.97,8912.98
PD4: *.110
PD5: *.107 P12.6 | length 4030.4
  Top Layer w10: P12.6@8138.19,7945.19 cw(c8138.19,7896.9) 8172.33,7931.05 cw(c8206.47,7965.19) P12.6@8158.19,7965.19 ; P12.6@8138.19,7965.19 8176.81,7926.57 10569.02,7926.57 10660,8017.54 10660,8996 10571.02,9084.98 10504.5,9084.98 *.107@10461.97,9127.51 ; *.107@10461.97,9102.98 cw(c10461.97,9043.77) 10503.84,9085.64 cw(c10545.71,9127.51) *.107@10486.5,9127.51 ; *.107@10461.97,9112.98 cw(c10461.97,9077.91) 10486.77,9102.71 cw(c10511.57,9127.51) *.107@10476.5,9127.51
PD6: *.108 P12.4 | length 4194.8
  Top Layer w10: P12.4@7938.19,7945.19 cw(c7938.19,7896.9) 7972.33,7931.05 cw(c8006.47,7965.19) P12.4@7958.19,7965.19 ; P12.4@7938.19,7965.19 7994.81,7908.57 10576.48,7908.57 10678,8010.09 10678,9011.48 *.108@10561.97,9127.51 ; *.108@10561.97,9102.98 cw(c10561.97,9043.77) 10603.84,9085.64 cw(c10645.71,9127.51) *.108@10586.5,9127.51 ; *.108@10561.97,9112.98 cw(c10561.97,9077.91) 10586.77,9102.71 cw(c10611.57,9127.51) *.108@10576.5,9127.51
PD7: *.105
PD8: *.83 P2.6 | length 1083.8
  Bottom Layer w10: P2.6@8581.69,8502.95 8594.49,8502.95 8884.46,8212.98 9130.98,8212.98 9209,8291 9209,8380.48 *.83@9161.97,8427.51 ; *.83@9161.97,8402.98 cw(c9161.97,8343.77) 9203.84,8385.64 cw(c9245.71,8427.51) *.83@9186.5,8427.51 ; *.83@9161.97,8412.98 cw(c9161.97,8377.91) 9186.77,8402.71 cw(c9211.57,8427.51) *.83@9176.5,8427.51
PD9: *.84 P2.7 | length 1038.5
  Bottom Layer w10: P2.7@8588.58,8589.84 cw(c8588.58,8541.56) 8622.72,8575.7 cw(c8656.87,8609.84) P2.7@8608.58,8609.84 ; P2.7@8588.58,8609.84 8626.97,8571.46 8626.97,8495.93 8891.91,8230.98 9065.44,8230.98 *.84@9161.97,8327.51 ; *.84@9137.44,8327.51 cw(c9078.23,8327.51) 9120.1,8285.64 cw(c9161.97,8243.77) *.84@9161.97,8302.98 ; *.84@9147.44,8327.51 cw(c9112.37,8327.51) 9137.17,8302.71 cw(c9161.97,8277.91) *.84@9161.97,8312.98
PD10: *.81
PD11: *.82
PD12: *.79 R40.1 U5.7 | length 1232.9
  Top Layer w10: R40.1@9202.18,8872.63 cw(c9233.57,8841.23) 9233.57,8885.63 ; R40.1@9209.25,8865.56 cw(c9257.71,8817.09) 9257.71,8885.63 ; R40.1@9211.61,8863.19 9234.06,8885.63 ; R40.1@9214.61,8879.57 ccw(c9218.56,8901.12) 9234.05,8885.63 ; R40.1@9216.32,8858.48 cw(c9281.85,8792.95) U5.7@9281.85,8885.63 ; R40.1@9223.39,8851.41 cw(c9306,8768.81) U5.7@9306,8885.63 ; R40.1@9228,8866.19 cw(c9249.55,8870.14) 9234.05,8885.63 ; U5.7@9277.56,8880.68 ccw(c9265.61,8868.73) 9265.61,8885.63 ccw(c9265.61,8902.53) U5.7@9277.56,8890.58 ; U5.7@9367.08,8880.68 cw(c9379.03,8868.73) 9379.03,8885.63 cw(c9379.03,8902.53) U5.7@9367.08,8890.58 ; U5.7@9373.63,8884.18 cw(c9376.5,8873.47) v1@9383.61,8881.99 ; 9374.27,8885.63 ccw(c9374.27,8898.37) v1@9383.28,8889.36 ; 9374.27,8886.91 ccw(c9376.67,8895.85) v1@9383.26,8889.34 ; 9375.21,8885.63 cw(c9375.21,8874.23) v1@9383.28,8882.29 ; v1@9386.61,8885.63 U5.7@9322.32,8885.63 9234.06,8885.63
  Bottom Layer w10: *.79@9361.97,8442.04 ccw(c9361.97,8477.11) 9386.77,8452.31 ccw(c9411.57,8427.51) *.79@9376.5,8427.51 ; *.79@9361.97,8452.04 ccw(c9361.97,8511.25) 9403.84,8469.38 ccw(c9445.71,8427.51) *.79@9386.5,8427.51 ; *.79@9362.2,8427.75 9417.32,8482.87 9417.32,8855.32 v1(9386.81,8885.83) ; v1@9386.81,8880.83 cw(c9386.81,8868.76) 9395.35,8877.29 cw(c9403.88,8885.83) v1@9391.81,8885.83
PD13: *.80 R39.1 U5.6 | length 1240.6
  Top Layer w10: R39.1@9209.25,8947.44 ccw(c9237.75,8975.94) 9237.75,8935.63 ; R39.1@9211.61,8949.8 9225.79,8935.63 U5.6@9322.32,8935.63 9323.9,8934.06 v1(9386.81,8934.06) ; R39.1@9216.32,8954.51 ccw(c9261.89,9000.08) 9261.89,8935.63 ; R39.1@9223.39,8961.58 ccw(c9286.04,9024.23) U5.6@9286.04,8935.63 ; U5.6@9277.56,8930.68 ccw(c9265.61,8918.73) 9265.61,8935.63 ccw(c9265.61,8952.53) U5.6@9277.56,8940.58 ; U5.6@9367.08,8930.68 cw(c9375.23,8922.53) 9375.23,8934.06 ; U5.6@9367.08,8940.58 ccw(c9382.84,8956.33) v1@9382.84,8934.06 ; U5.6@9373.42,8936.58 ccw(c9376.87,8949.45) v1@9384.1,8938.26 ; v1@9383.28,8930.52 ccw(c9374.74,8921.98) 9374.74,8934.06 ccw(c9374.74,8946.13) v1@9383.28,8937.59
  Bottom Layer w10: *.80@9361.97,8327.51 9412.4,8377.94 9412.4,8447.83 9435.04,8470.47 9435.04,8885.83 v1(9386.81,8934.06) ; *.80@9361.97,8342.04 ccw(c9361.97,8377.11) 9386.77,8352.31 ccw(c9411.57,8327.51) *.80@9376.5,8327.51 ; *.80@9361.97,8352.04 ccw(c9361.97,8411.25) 9403.84,8369.38 ccw(c9445.71,8327.51) *.80@9386.5,8327.51 ; v1@9386.81,8929.06 cw(c9386.81,8916.98) 9395.35,8925.52 cw(c9403.88,8934.06) v1@9391.81,8934.06
PD14: *.77 P2.4 | length 1519.4
  Bottom Layer w10: P2.4@8588.58,8289.84 cw(c8588.58,8241.56) 8622.72,8275.7 cw(c8656.87,8309.84) P2.4@8608.58,8309.84 ; P2.4@8588.58,8309.84 8721.44,8176.98 9427.98,8176.98 9511.19,8260.19 9511.19,8349.19 ; *.77@9456.55,8428.29 ccw(c9499.34,8422.16) 9468.77,8391.6 ; *.77@9461.97,8427.51 9461.97,8398.4 9511.19,8349.19 ; *.77@9466.45,8426.87 ccw(c9524.07,8418.62) 9482.91,8377.46 ; *.77@9476.35,8425.45 ccw(c9548.8,8415.08) 9497.05,8363.32 ; *.77@9486.25,8424.03 ccw(c9573.53,8411.53) 9511.18,8349.19
PD15: *.78 P2.5 | length 1240.8
  Bottom Layer w10: P2.5@8588.58,8389.84 cw(c8588.58,8340.55) 8623.44,8375.41 ; P2.5@8589,8409.84 8803.86,8194.98 9329.44,8194.98 *.78@9461.97,8327.51 ; P2.5@8608.58,8409.84 ccw(c8655.86,8409.84) 8622.43,8376.41 ; *.78@9437.44,8327.51 cw(c9378.23,8327.51) 9420.1,8285.64 cw(c9461.97,8243.77) *.78@9461.97,8302.98 ; *.78@9447.44,8327.51 cw(c9412.37,8327.51) 9437.17,8302.71 cw(c9461.97,8277.91) *.78@9461.97,8312.98
PE0: *.91
PE1: *.90
PE2: *.2
PE3: *.4
PE4: *.3
PE5: *.6
PE6: *.5 P1.1 | length 420.2
  Bottom Layer w20: *.5@10347.16,10339.32 ccw(c10313.82,10372.66) 10360.97,10372.66 ccw(c10408.11,10372.66) *.5@10374.78,10339.32 ; P1.1@10351.42,10603.71 cw(c10328.38,10580.67) 10360.97,10580.67 ; *.5@10360.97,10325.51 10360.97,10613.25 P1.1@10362.03,10614.32 ; 10360.97,10575.54 cw(c10400.81,10575.54) P1.1@10372.64,10603.71
PE7: *.48
PE8: *.49
PE9: *.50
PE10: *.51
PE11: *.52
PE12: *.53
PE13: *.54 P3.4 | length 1344.1
  Bottom Layer w10: P3.4@8588.58,9767.6 cw(c8588.58,9719.31) 8622.72,9753.46 cw(c8656.87,9787.6) P3.4@8608.58,9787.6 ; P3.4@8588.58,9787.6 8696.85,9679.33 8696.85,8913.39 8740.16,8870.08 8818.4,8870.08 *.54@8861.97,8826.51 ; *.54@8837.44,8826.51 ccw(c8778.23,8826.51) 8820.1,8868.38 ccw(c8861.97,8910.25) *.54@8861.97,8851.04 ; *.54@8847.44,8826.51 ccw(c8812.37,8826.51) 8837.17,8851.31 ccw(c8861.97,8876.11) *.54@8861.97,8841.04
PE14: *.55 P3.5 | length 1298.8
  Bottom Layer w10: P3.5@8588.58,9667.6 cw(c8588.58,9596.98) 8638.52,9646.91 ; P3.5@8588.58,9677.6 cw(c8588.58,9631.12) 8621.45,9663.99 ; P3.5@8588.58,9687.6 8597.83,9687.6 8677.17,9608.27 8677.17,8811.31 *.55@8761.97,8726.51 ; P3.5@8608.58,9687.6 ccw(c8634.53,9687.6) 8616.18,9669.25 ; *.55@8737.44,8726.51 ccw(c8678.23,8726.51) 8720.1,8768.38 ccw(c8761.97,8810.25) *.55@8761.97,8751.04 ; *.55@8747.44,8726.51 ccw(c8712.37,8726.51) 8737.17,8751.31 ccw(c8761.97,8776.11) *.55@8761.97,8741.04
PE15: *.56
PF0: *.7 P1.3 | length 553.7
  Bottom Layer w10: P1.3@10162.03,10594.31 cw(c10162.03,10546.03) 10196.17,10580.17 cw(c10230.32,10614.32) P1.3@10182.03,10614.32 ; P1.3@10162.03,10614.32 10260.97,10515.38 *.7@10260.97,10325.51 ; *.7@10243.62,10342.86 ccw(c10201.75,10384.73) 10260.97,10384.73 ccw(c10320.18,10384.73) *.7@10278.31,10342.86 ; *.7@10250.7,10335.78 ccw(c10225.9,10360.58) 10260.97,10360.58 ccw(c10296.04,10360.58) *.7@10271.24,10335.78
PF1: *.10 P1.4 | length 692.7
  Bottom Layer w10: P1.4@10062.03,10594.31 cw(c10062.03,10546.03) 10096.17,10580.17 cw(c10130.32,10614.32) P1.4@10082.03,10614.32 ; P1.4@10062.03,10614.32 10208,10468.35 10208,10272.54 *.10@10160.97,10225.51 ; *.10@10160.97,10240.04 ccw(c10160.97,10275.11) 10185.77,10250.31 ccw(c10210.57,10225.51) *.10@10175.5,10225.51 ; *.10@10160.97,10250.04 ccw(c10160.97,10309.25) 10202.84,10267.38 ccw(c10244.71,10225.51) *.10@10185.5,10225.51
PF2: *.9 P1.5 | length 595.2
  Bottom Layer w10: P1.5@9962.03,10594.31 cw(c9962.03,10546.03) 9996.17,10580.17 cw(c10030.32,10614.32) P1.5@9982.03,10614.32 ; P1.5@9962.03,10614.32 10160.97,10415.38 *.9@10160.97,10325.51 ; *.9@10143.62,10342.86 ccw(c10101.75,10384.73) 10160.97,10384.73 ccw(c10220.18,10384.73) *.9@10178.31,10342.86 ; *.9@10150.7,10335.78 ccw(c10125.9,10360.58) 10160.97,10360.58 ccw(c10196.04,10360.58) *.9@10171.24,10335.78
PF3: *.12 P1.6 | length 731.6
  Bottom Layer w10: P1.6@9862.03,10594.31 cw(c9862.03,10546.03) 9896.17,10580.17 cw(c9930.32,10614.32) P1.6@9882.03,10614.32 ; P1.6@9862.03,10614.32 10105,10371.35 10105,10269.54 *.12@10060.97,10225.51 ; *.12@10060.97,10240.04 ccw(c10060.97,10275.11) 10085.77,10250.31 ccw(c10110.57,10225.51) *.12@10075.5,10225.51 ; *.12@10060.97,10250.04 ccw(c10060.97,10309.25) 10102.84,10267.38 ccw(c10144.71,10225.51) *.12@10085.5,10225.51
PF4: *.11 P1.7 | length 680.7
  Bottom Layer w10: P1.7@9762.03,10594.32 cw(c9762.03,10521.57) 9813.47,10573.01 ; P1.7@9762.03,10604.32 cw(c9762.03,10555.71) 9796.4,10590.08 ; P1.7@9762.03,10614.32 9772.17,10614.32 *.11@10060.97,10325.51 ; P1.7@9782.03,10614.32 ccw(c9805.85,10614.32) 9789.01,10597.47 ; *.11@10036.44,10325.51 ccw(c9977.23,10325.51) 10019.1,10367.38 ccw(c10060.97,10409.25) *.11@10060.97,10350.04 ; *.11@10046.44,10325.51 ccw(c10011.37,10325.51) 10036.17,10350.31 ccw(c10060.97,10375.11) *.11@10060.97,10340.04
PF5: *.14 P1.8 | length 736.6
  Bottom Layer w10: P1.8@9662.03,10594.31 cw(c9662.03,10546.03) 9696.17,10580.17 cw(c9730.32,10614.32) P1.8@9682.03,10614.32 ; P1.8@9662.03,10614.32 9918.44,10357.91 9918.44,10268.04 *.14@9960.97,10225.51 ; *.14@9936.44,10225.51 ccw(c9877.23,10225.51) 9919.1,10267.38 ccw(c9960.97,10309.25) *.14@9960.97,10250.04 ; *.14@9946.44,10225.51 ccw(c9911.37,10225.51) 9936.17,10250.31 ccw(c9960.97,10275.11) *.14@9960.97,10240.04
PF6: *.13 R46.1 | length 483.1
  Bottom Layer w10: R46.1@9968,9971.65 ccw(c9968,10011.86) 9996.43,9983.43 ccw(c10024.86,9955) R46.1@9984.65,9955 ; R46.1@9968.5,9955.5 10007,9994 10007,10311.09 *.13@9972.78,10345.31